# Altium PCB HIL_RIG_REV_1_1.PcbDoc (part 4 of 5) (continued)
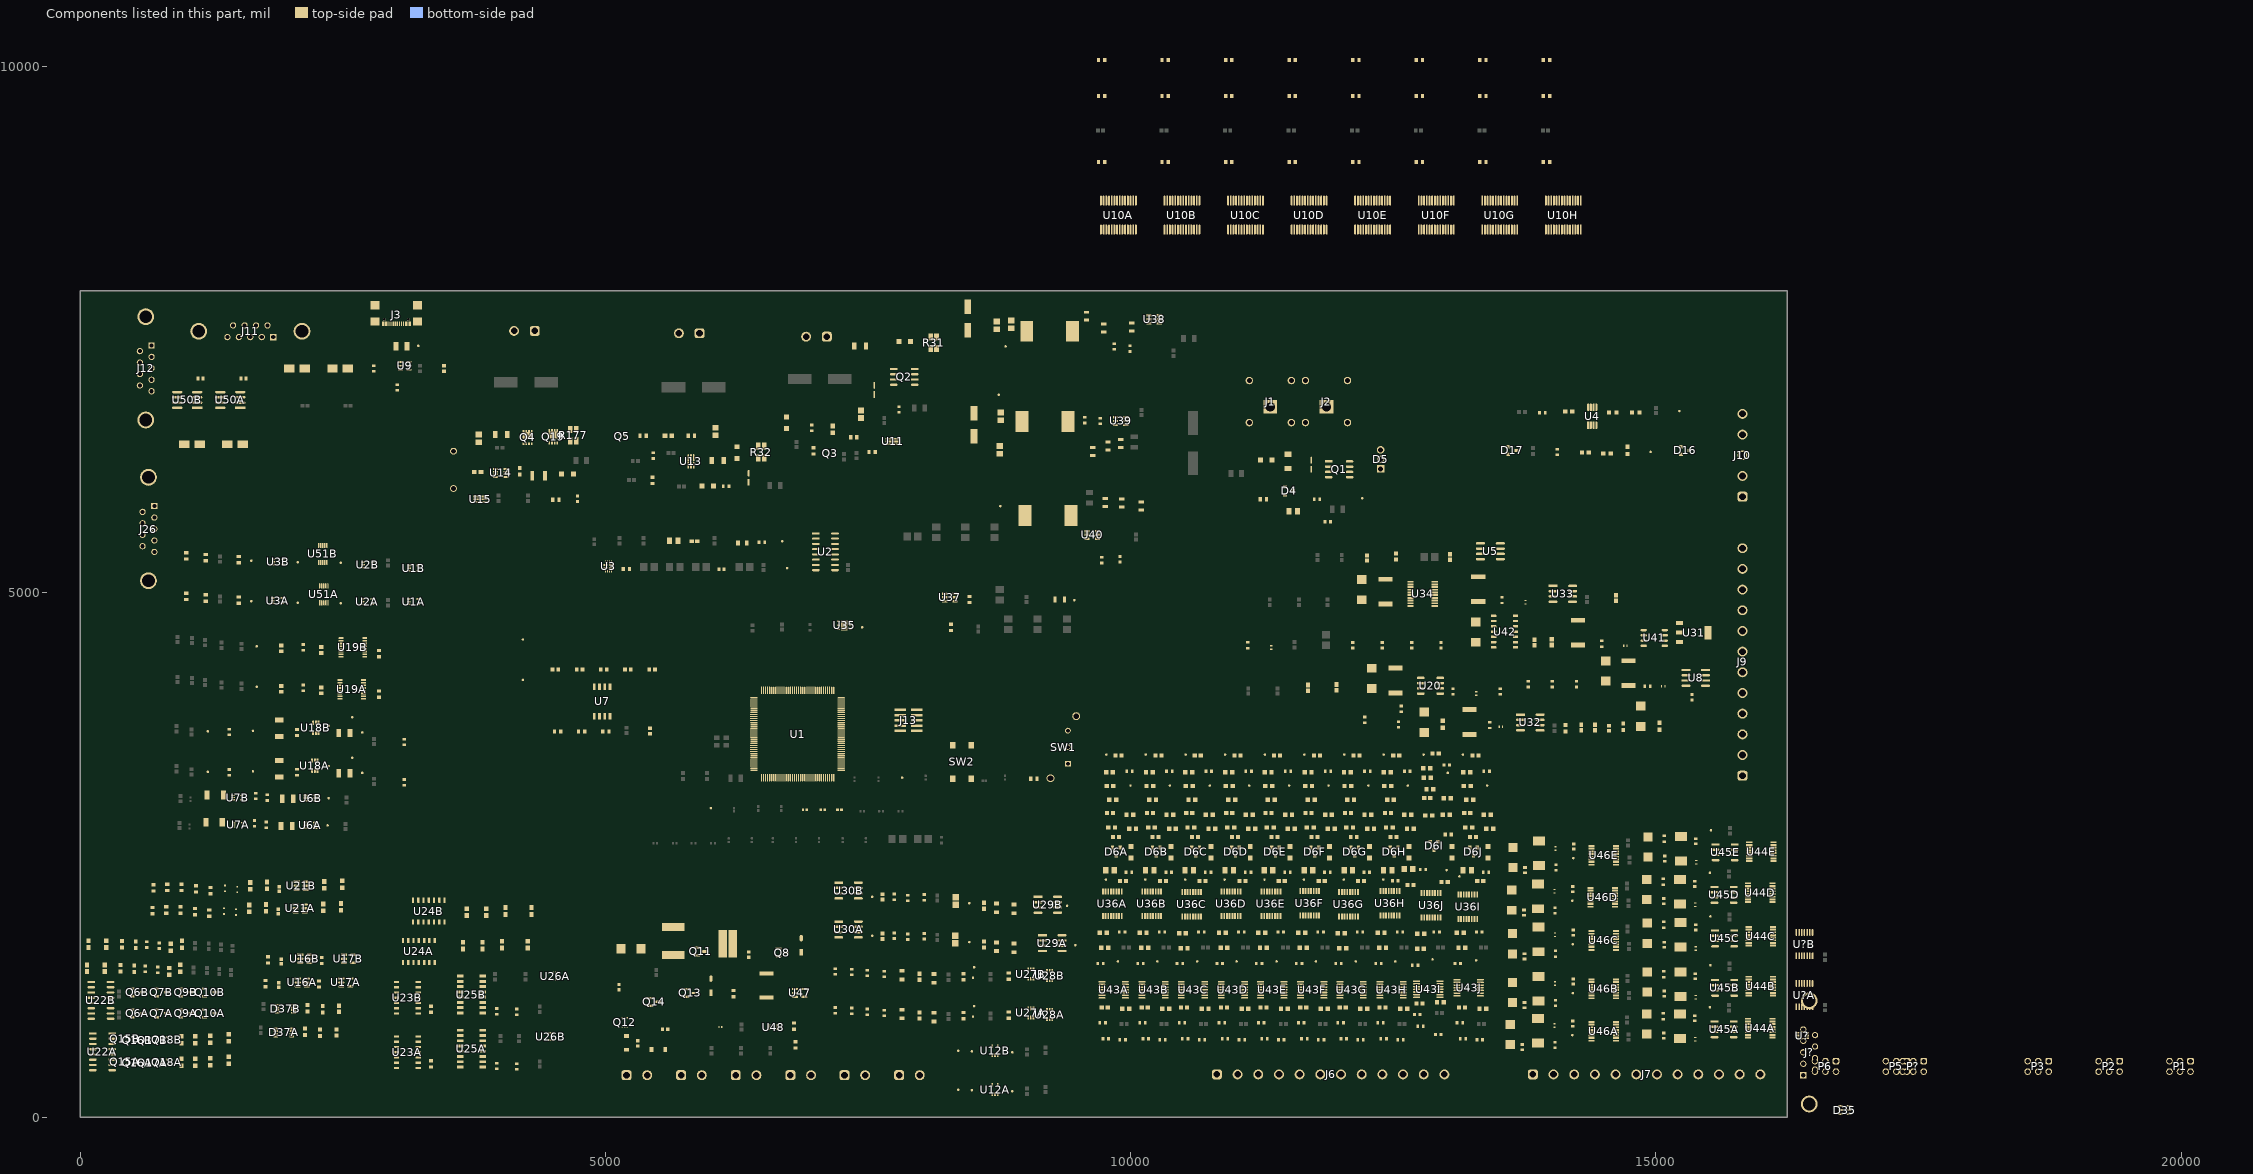
[diagram p6: the components of this part, seen from the top]
## Part data (continued)
R147A R147B: library part CMP-009-00277-1, "Res Thin Film 0603 3.4K Ohm 0.1% 0.1W(1/10W) ±25ppm/C Pad SMD T/R", Case Code (Imperial)=0603, Max Operating Temperature=155°C, Max Power Dissipation=100mW, Min Operating Temperature=-55°C, Temperature Coefficient=25ppm/°C, Tolerance=0.1%, Voltage Rating=75V, Voltage Rating (DC)=50V, Case/Package=0603, China RoHS=Non-Compliant, Composition="Thin Film", Contact Plating=Tin, Country of Origin="Mainland China, Taiwan", Depth=800µm, Export Control Classification Number (ECCN) Code=EAR99, Features="Moisture Resistant", Harmonized Tariff Schedule (HTS) Code=8533.21.00.30, Height=450µm, Introduction Date=2008-06-09, Lead Free="Lead Free", Length=1.6mm, Lifecycle Status=Production, Military Standard=Not, Mounting Technology="Surface Mount", Number of Terminals=2, Number of Terminations=2, Power Rating=100mW, Radiation Hardening=No, REACH SVHC=Yes, RoHS=Compliant, Schedule B="8533210045, 8533210045", Termination=SMD/SMT, Weight=2.012816mg, Width=800µm, Working Voltage=75V
R148A R148B: library part CMP-009-00270-1, "100mW Thin Film Resistor ±25ppm/℃ ±0.1% 6.98kΩ 0603 Chip Resistor - Surface Mount ROHS", Case Code (Imperial)=0603, Max Operating Temperature=155°C, Max Power Dissipation=100mW, Min Operating Temperature=-55°C, Temperature Coefficient=25ppm/°C, Tolerance=0.1%, Voltage Rating=75V, Voltage Rating (DC)=50V, Case/Package=0603, China RoHS=Non-Compliant, Composition="Thin Film", Features="Moisture Resistant", Height=450µm, Lead Free="Lead Free", Length=1.6mm, Lifecycle Status=Production, Mounting Technology="Surface Mount", Number of Terminals=2, Number of Terminations=2, Power Rating=100mW, REACH SVHC=Yes, RoHS=Compliant, Schedule B="8533210045, 8533210045", Termination=SMD/SMT, Width=800µm, Working Voltage=75V
R149A R149B: library part CMP-009-00278-1, "100mW Thin Film Resistor ±25ppm/℃ ±0.1% 3.57kΩ 0603 Chip Resistor - Surface Mount ROHS", Case Code (Imperial)=0603, Max Operating Temperature=155°C, Max Power Dissipation=100mW, Min Operating Temperature=-55°C, Temperature Coefficient=25ppm/°C, Tolerance=0.1%, Voltage Rating=75V, Voltage Rating (DC)=50V, Case/Package=0603, China RoHS=Non-Compliant, Composition="Thin Film", Country of Origin="Mainland China, Taiwan", Depth=800µm, Export Control Classification Number (ECCN) Code=EAR99, Features="Moisture Resistant", Harmonized Tariff Schedule (HTS) Code=8533.21.00.30, Height=450µm, Introduction Date=2008-06-09, Lead Free="Lead Free", Length=1.6mm, Lifecycle Status=Production, Military Standard=Not, Mounting Technology="Surface Mount", Number of Terminals=2, Number of Terminations=2, Power Rating=100mW, REACH SVHC=Yes, RoHS=Compliant, Schedule B="8533210045, 8533210045", Termination=SMD/SMT, Weight=2.012816mg, Width=800µm, Working Voltage=75V
R152A R152B: library part CMP-009-00276-1, "125mW Thin Film Resistor 150V ±25ppm/℃ ±0.1% 1.5kΩ 0805 Chip Resistor - Surface Mount ROHS", Case Code (Imperial)=0805, Manufacturer Package Identifier="0805 (2012 metric)", Max Operating Temperature=155°C, Max Power Dissipation=125mW, Min Operating Temperature=-55°C, Temperature Coefficient=25ppm/°C, Tolerance=0.1%, Voltage Rating=150V, Case/Package=0805, China RoHS=Non-Compliant, Composition="Thin Film", Depth=1.25mm, Features="Moisture Resistant", Height=500µm, Lead Free="Lead Free", Length=2mm, Lifecycle Status=Production, Military Standard=Not, Mounting Technology="Surface Mount", Number of Terminals=2, Number of Terminations=2, Power Rating=125mW, REACH SVHC=Yes, RoHS=Compliant, Schedule B="8533210045, 8533210045", Termination=SMD/SMT, Voltage Rating (DC)=150V, Width=1.25mm, Working Voltage=150V
R154A R154B R154C R154D R154E R156A R156B R156C R156D R156E R157A R157B R157C R157D R157E R159A R159B R159C R159D R159E: library part CMP-02407-001600-1, "RES SMD 100 OHM 1% 1/8W 0603", Case/Package=0603, Max Operating Temperature=125°C, Max Power Dissipation=100mW, Min Operating Temperature=-55°C, Resistance=10kR, Temperature Coefficient=50ppm/°C, Tolerance=1%, Composition="Thin Film", Depth=0.85mm, Height=0.022inch, Lead Free="Lead Free", Length=0.061inch, Military Standard=Not, Number of Terminations=2, Packaging="Tape and Reel", Width=0.033inch
R155A R155B R155C R155D R155E R158A R158B R158C R158D R158E: library part CMP-07231-002038-1, "Sulfur-Resistant, AEC-Q200 Compliant Chip Resistors 2512 10Ω 1W 1% 100ppm/°C"
R160 R165: library part CMP-03211-009800-1, "CRGCQ 0603 100K 5%", Ambient Temperature Range High=+70°C, Manufacturer="TE Connectivity", Manufacturer Part Number=CRGCQ0603J100K, Package=CRGCQ0603, Power Rating=0.1W, Resistance=100KΩ, Temperature="-55°C to +155°C", Temperature Coefficient=±100ppm/°C, Temperature Range High=+155°C, Temperature Range Low=-55°C, Tolerance=0.05, Voltage Rating=75V, Category=Res, ComponentLink2Description=Datasheet, ComponentLink2URL=https://www.te.com/commerce/DocumentDelivery/DDEController?Action=showdoc&DocId=Data+Sheet%7F1773204-3%7F1%7Fpdf%7FEnglish%7FENG_DS_1773204-3_1.pdf%7F4-2176339-1151, Composition="Thick Film", Device Class L1="Passive Components", Device Class L2=Resistors, Device Class L3="Chip SMD Resistors", Digikey Description="CRGCQ 0603 100K 5%", Height=0.55mm, Ipc Land Pattern Name=RESC16080X45, Lead Free=Yes, Mouser Description="Res, Aec-Q200, Thick Film, 100K, 5%, 0603", Octopart=https://octopart.com/crgcq0603j100k-te+connectivity-91018095, RoHS=TRUE, Series=CRGCQ
R161: library part CMP-08839-006415-1, "High power chip resistors wide terminal type 470Ω 5% 2W 1225", Lead Free="Lead Free"
R162 R166: library part CMP-03211-004384-3, "RES 1M OHM 1% 1/4W 0603", Case Code (Imperial)=0603, Case Code (Metric)=1608, Max Operating Temperature=155°C, Max Power Dissipation=250mW, Min Operating Temperature=-55°C, Resistance=1MR, Resistor Type="Thick Film", Temperature Coefficient=100ppm/°C, Tolerance=1%, Case/Package=0603, Number of Terminations=2, Packaging="Cut Tape", RoHS Compliant=Yes
R163: library part CMP-03211-009678-1, "CRGP 2512 100R 1%", Ambient Temperature Range High=+70°C, Manufacturer=TE, Manufacturer Part Number=CRGP2512F100R, Package=CRGP2512, Power Rating=2W, Resistance=100Ω, Temperature="-55°C to +155°C", Temperature Coefficient=±100ppm/°C, Temperature Range High=+155°C, Temperature Range Low=-55°C, Tolerance=0.01, Voltage Rating=500V, Automotive=No, Category=Res, ComponentLink2Description=Datasheet, ComponentLink2URL=https://www.mouser.ca/datasheet/2/418/NG_DS_9-1773463-9_A-1358566.pdf, Composition="Thick Film", Device Class L1="Passive Components", Device Class L2=Resistors, Device Class L3="Chip SMD Resistors", Digikey Description="CRGP 2512 100R 1%", Height=0.65mm, Ipc Land Pattern Name=RESC635320X55, Lead Free=Yes, Octopart=https://octopart.com/crgp2512f100r-te+connectivity-91019025, RoHS=TRUE, Series=CRGP
R169A R169B R170A R170B: library part CMP-1678-00004-2, "RES 0.05 OHM 1% 1W 1632", 3DS Part Number=110-00009, Manufacturer=Ohmite, Manufacturer Part Number=MCS1632R050FER, Package=MCS1632, Power Rating=1W, Resistance=50mΩ, Temperature="-55°C to +150°C", Temperature Coefficient=40ppm/°C, Temperature Range High=+150°C, Temperature Range Low=-55°C, Tolerance=1%, Automotive=No, Category=Res, ComponentLink2Description=Datasheet, ComponentLink2URL=https://www.ohmite.com/assets/docs/res_mcs.pdf?r=false, Composition="Metal Element", Device Class L1="Passive Components", Device Class L2=Resistors, Device Class L3="Chip SMD Resistors", Digikey Description="RES 0.05 OHM 1% 1W 1632", Height=0.8mm, Ipc Land Pattern Name=RESC320160X60, Lead Free=Yes, Mouser Description="Current Sense Resistors - SMD 1W 0.05 ohm 1%", Octopart=https://octopart.com/mcs1632r050fer-ohmite-19081091, RoHS=TRUE, Series=MCS
SW1: library part CMP-011-00001-2, "Slide Switch, SPDT, 0.3A, 125 V, -20 to 85 degC, 5-Pin THD, RoHS, Tray", Current Rating=300mA, Manufacturer="TE Connectivity", Max Contact Resistance=30mohm, Max Operating Temperature=85°C, Max Voltage Rating (AC)=125V, Min Operating Temperature=-20°C, Operating Force=600gf, Package Description="5-Pin Through Hole Device, Body 6.7 x 16 mm, Pitch 4 mm", Package Quantity=560, Case/Package=1825255-1, Contact Finish=Silver, Contact Material=Copper, Contact Plating=Silver, Datasheet URL=http://www.te.com/commerce/DocumentDelivery/DDEController?Action=showdoc&DocId=Customer+Drawing%7F1825255%7FA4%7Fpdf%7FEnglish%7FENG_CD_1825255_A4_baseFilename.pdf%7F1825255-1, Datasheet Version="Rev. A4, 03/2014", Manufacturer URL=http://www.te.com/, Max Current Rating=300mA, Mounting Technology=TH, Package Reference=1825255-1, Packaging=Bulk, RoHS Compliant=True, Throw Configuration=SPDT, Voltage Rating (AC)=125V
SW2: library part CMP-011-00018-1, "Switch Tactile N.O. SPST Round Button J-Bend 20A 250VAC15VDC SMD Embossed T/R", Case/Package=SMD/SMT, Max Operating Temperature=85°C, Min Operating Temperature=-40°C, Mounting Technology="Surface Mount", Throw Configuration=SPST
TP1 TP2 TP3 TP4 TP5 TP6A TP6B TP6C TP6D TP6E TP7A TP7B TP8 TP9 TP10 TP11 TP12A TP12B TP13 TP14 TP15A TP15B TP15C TP15D TP15E TP16A TP16B TP17A TP17B TP18A TP18B TP19A TP19B TP20A TP20B TP21A TP21B TP22A TP22B TP23A TP23B TP24A TP24B TP25 TP26 TP27A TP27B TP27C TP27D TP27E TP27F TP27G TP27H TP27I TP27J TP28A TP28B TP28C TP28D TP28E TP28F TP28G TP28H TP28I TP28J TP29A TP29B TP29C TP29D TP29E TP29F TP29G TP29H TP29I TP29J TP30A TP30B TP30C TP30D TP30E TP30F TP30G TP30H TP30I TP30J TP31A TP31B TP32A TP32B TP33A TP33B TP34A TP34B TP35A TP35B TP36A TP36B TP37A TP37B TP38A TP38B: library part CMP-00028-00002-2, "0.6mm round", Pins=1
U1: library part CMP-031-00008-1, "Mcu, 32 Bit, CORTEX-M4, 180MHZ, LQFP-144", Case/Package=LQFP, Frequency=180MHz, Max Supply Voltage=3.6V, Min Supply Voltage=1.7V, Memory Size=512kB, Number of I/Os=114, Pins=144, RAM Size=128kB, REACH SVHC=No
U1A U1B U2A U2B U3A U3B: library part CMP-016-00021-1, "Single 2-input, 1.65-V to 5.5-V NAND gate 5-SC70 -40 to 125", Case/Package=SC, High Level Output Current=-32mA, Low Level Output Current=32mA, Manufacturer Lifecycle Status=ACTIVE, Max Operating Temperature=125°C, Max Supply Voltage=5.5V, Min Operating Temperature=-40°C, Min Supply Voltage=1.65V, Operating Supply Voltage=5V, Quiescent Current=10µA, Contact Plating=Gold, Height=1.1mm, Lead Free="Lead Free", Length=2mm, Lifecycle Status=Production, Logic Function=NAND, Max Output current=32mA, Mounting Technology="Surface Mount", Number of Bits=1, Number of Channels=1, Number of Circuits=1, Number of Elements=1, Number of Gates=1, Number of Input Lines=2, Number of Inputs=2, Number of Output Lines=1, Number of Outputs=1, Output Current=32mA, Packaging="Cut Tape", Pins=5, Propagation Delay=4ns, Radiation Hardening=No, REACH SVHC=No, RoHS=Compliant, Schedule B="8542390000, 8542390000", Schmitt Trigger Input=No, Termination=SMD/SMT, Thickness=900µm, Turn-On Delay Time=4.3ns, Weight=2.494758mg, Width=1.25mm
U2 U22A U22B: library part CMP-016-00012-1, "MC74HC238ADR2G, Decoder, Demultiplexer, 1-OF-8, Non-inverting, 2 to 6V, 16-PIN SOIC", Case/Package=SOP, Max Operating Temperature=125°C, Max Supply Voltage=6V, Min Operating Temperature=-55°C, Min Supply Voltage=2V, Mounting Technology="Surface Mount", Pins=16
U3: library part CMP-031-00010-1, "2.7-V to 22-V, 56-mΩ, 4.5-A, power mux with seamless switchover 12-VQFN-HR -40 to 125", Max Operating Temperature=125°C, Max Supply Voltage=22V, Min Operating Temperature=-40°C, Min Supply Voltage=2.8V, Pins=12
U4: library part CMP-014-00005-1, "Dual, 5.5-V, 10-MHz operational amplifier 8-VSSOP -40 to 125", Case/Package=VSSOP, Max Operating Temperature=125°C, Max Supply Voltage=5.5V, Min Operating Temperature=-40°C, Min Supply Voltage=1.8V, Pins=8
U5: library part CMP-019-00063-1, "LDO Regulator Pos 5V 0.5A Automotive 8-Pin SOIC N Tube / IC REG LDO 5V 0.5A 8SOIC", Dropout Voltage=300mV, Manufacturer Lifecycle Status=PRODUCTION, Max Operating Temperature=125°C, Max Output current=500mA, Max Supply Voltage=20V, Min Current Limit=520mA, Min Input Voltage=1.8V, Min Operating Temperature=-40°C, Nominal Output Voltage=5V, Operating Supply Current=30µA, Power Supply Rejection Ratio (PSRR)=65dB, Height=1.498mm, Lead Free="Lead Free", Length=5mm, Lifecycle Status=Production, Number of Channels=1, Number of Outputs=1, Number of Regulators=1, Output Current=500mA, Output Type=Fixed, Output Voltage=5V, Pins=8, Polarity=Positive, Quiescent Current=30µA, REACH SVHC=No, RoHS=Compliant, Schedule B="8542390000, 8542390000", Width=3.988mm
U6A U6B U18A U18B: library part CMP-016-00013-1, "Translators, Level Shifters bidirectional 420Mbps 1.65V~5.5VCCA 1.65V~5.5VCCB", Case/Package=SC, High Level Output Current=-32mA, Low Level Output Current=32mA, Manufacturer Lifecycle Status=ACTIVE, Max Operating Temperature=85°C, Max Supply Voltage=5.5V, Min Operating Temperature=-40°C, Min Supply Voltage=1.65V, Quiescent Current=3µA, Contact Plating=Gold, Data Rate=420Mbps, Direction=Bidirectional, Height=1.1mm, Lead Free="Lead Free", Length=2mm, Lifecycle Status=Production, Logic Function="Transceiver, Translator", Min Supply Voltage (DC)=1.65V, Mounting Technology="Surface Mount", Number of Bits=1, Number of Channels=1, Number of Elements=1, Packaging="Cut Tape", Pins=6, Polarity=Non-Inverting, Propagation Delay=3.9ns, Radiation Hardening=No, REACH SVHC=No, RoHS=Compliant, Schedule B="8542390000, 8542390000", Thickness=900µm, Topology=Push-Pull, Turn-On Delay Time=17.7ns, Weight=2.494758mg, Width=1.25mm
U7: "Inductor", Arrow Part Number="W25Q128JVSIQ TR", Manufacturer_Name=Winbond, Mouser Part Number=454-W25Q128JVSIQTR, Arrow Price/Stock=https://www.arrow.com/en/products/w25q128jvsiqtr/winbond-electronics?utm_currency=USD&region=nac, Datasheet Link=http://www.winbond.com/resource-files/w25q128jv%20spi%20revc%2011162016.pdf, Height=1.95mm, Manufacturer_Part_Number="W25Q128JVSIQ TR", Mouser Price/Stock=https://www.mouser.co.uk/ProductDetail/Winbond/W25Q128JVSIQ-TR?qs=qSfuJ%252Bfl%2Fd7vTyLA9kNdGw%3D%3D
U7A U7B: library part CMP-004-00058-1, "11V Unidirectional 5.5V SOT-553-5 ESD and Surge Protection (TVS/ESD) ROHS", Ambient Temperature Range High=85°C, Breakdown Voltage=11V, Case/Package=SOT, Clamping Voltage=105.5V, Leakage Current=1nA, Manufacturer Lifecycle Status=ACTIVE, Max Junction Temperature (Tj)=150°C, Max Supply Voltage=5.5V, Min Operating Temperature=-40°C, Min Supply Voltage=900mV, Peak Pulse Current=10A, Power Line Protection=Yes, Contact Plating=Gold, Depth=1.2mm, Direction=Unidirectional, Element Configuration=Dual, Height=0m, Interface="Ethernet, LVDS", Lead Free="Lead Free", Length=1.6mm, Lifecycle Status=Production, Max Operating Temperature=85°C, Min Breakdown Voltage=11V, Number of Bidirectional Channels=2, Number of Channels=2, Number of Outputs=2, Operating Supply Voltage=5.5V, Pins=5, Polarity=Unidirectional, Radiation Hardening=No, REACH SVHC=No, Reverse Standoff Voltage=5.5V, RoHS=Compliant, Schedule B="8541100080, 8541100080", Termination=SMD/SMT, Thickness=550µm, Weight=2.806603mg, Width=1.2mm, Working Voltage=5.5V
U8 U32 U33: library part CMP-014-00008-1, "IC OPAMP GP 2 CIRCUIT 8SOIC / General Purpose Amplifier 2 Circuit Rail-to-Rail 8-SOIC", Case/Package=SOIC, Input Bias Current=5pA, Input Offset Voltage (Vos)=25µV, Manufacturer Lifecycle Status=ACTIVE, Max Dual Supply Voltage=18V, Max Junction Temperature (Tj)=150°C, Max Operating Temperature=125°C, Max Supply Voltage=36V, Min Dual Supply Voltage=2.25V, Min Operating Temperature=-40°C, Min Supply Voltage=4.5V, Nominal Supply Current=140µA, Output Current per Channel=65mA, Bandwidth=2.2MHz, Height=1.75mm, Length=4.9mm, Lifecycle Status=Production, Number of Channels=2, Pins=8, Response Time=700ns, RoHS=Compliant, Slew Rate=6.5V/µs, Thickness=1.58mm, Width=3.91mm
U10A U10B U10C U10D U10E U10F U10G U10H: library part CMP-031-00018-1, "I²C Bus IC Operating temperature: -40...+125 °C Power supply: 1.8...5.5 V Package: SSOP-20", Case/Package=SSOP, Clock Frequency=1.7MHz, Manufacturer Lifecycle Status=REL, Max Operating Temperature=125°C, Max Power Dissipation=700mW, Max Supply Voltage=5.5V, Min Operating Temperature=-40°C, Min Supply Voltage=4.5V, Nominal Supply Current=1mA, Output Current=25mA, Country of Assembly="Philippines, Thailand", Country of Fabrication="United States of America", Country of Origin="Philippines, Thailand", Export Control Classification Number (ECCN) Code=EAR99, Frequency=1.7MHz, Harmonized Tariff Schedule (HTS) Code=8542.39.0060, HS Code=8542.39.0090, Interface="I2C, Serial", Introduction Date=2005-06-24, Lead Free="Lead Free", Lifecycle Status=Production, Mounting Technology="Surface Mount", Number of Bits=16, Number of I/Os=16, Packaging=Bulk, Pins=28, Projected EOL Date=2034-06-24, REACH SVHC=No, RoHS=Compliant, Schedule B="8542390000, 8542390000", Weight=2.26799g
U11 U13 U15: library part CMP-014-00006-1, "26-V bi-directional 350-kHz current-sense amplifier 6-SC70 -40 to 125", Max Operating Temperature=125°C, Max Supply Voltage=5.5V, Min Operating Temperature=-40°C, Min Supply Voltage=2.7V, Pins=6
U12A U12B: library part CMP-0859-00252-3, "Single Inverter, DCK0005A, LARGE T&R", F @ Nom Voltage(Max)(Mhz)=150, Generic Part Number=SN74LVC1G04, ICC @ Nom Voltage(Max)(mA)=0.01, Manufacturer="Texas Instruments", Operating Temperature Range(C)="-40 to 125,-40 to 85", Rating=Catalog, tpd @ Nom Voltage(Max)(ns)=7.5,5.2,4.2,3.7, Voltage(Nom)(V)=1.8,2.5,3.3,5, 3-State Output=No, Bits(#)=1, DatasheetVersion=SCES214AD, Input Type=CMOS/TTL, Logic=Inverting, Output Drive (IOL/IOH)(Max)(mA)=32/-32, Output Type=CMOS, PackageReference=DCK0005A, Schmitt Trigger=No, Sub-Family="Inverting Buffer/Driver", Technology Family=LVC, VCC(Max)(V)=5.5, VCC(Min)(V)=1.65
U14: library part CMP-031-00014-1, "Overvoltage, Undervoltage and Reverse Supply Protection Controller", Case/Package=SOT-23-8, Max Operating Temperature=70°C, Min Operating Temperature=0°C, Pins=8
U16A U16B U21A U21B: library part CMP-00000-1, "5.5-V, 2-A, 52-mΩ load switch with adj. rise time and adj. output discharge 6-SOT-23 -40 to 105", Ambient Temperature Range High=105°C, Case/Package=SOT-23, Manufacturer Lifecycle Status=ACTIVE, Max Junction Temperature (Tj)=125°C, Max Output current=2A, Max Supply Voltage=5.5V, Min Operating Temperature=-40°C, Min Supply Voltage=1V, Fall Time=2µs, Height=0m, Interface=On/Off, Lead Free="Lead Free", Length=2.9mm, Lifecycle Status=Production, Max Operating Temperature=105°C, Number of Channels=1, Number of Drivers=1, Number of Outputs=1, Output Configuration="High Side", Output Current=2A, Pins=6, Rise Time=2.54ms, RoHS=Compliant, Schedule B="8542390000, 8542390000", Thickness=1.2mm, Turn-Off Delay Time=2µs, Turn-On Delay Time=1.95ms, Width=1.6mm
U17A U17B: library part CMP-016-00018-1, "Single 1.65-V to 5.5-V inverter 5-SOT-23 -40 to 125", Ambient Temperature Range High=125°C, Case/Package=SOT-23, High Level Output Current=-32mA, Low Level Output Current=32mA, Manufacturer Lifecycle Status=ACTIVE, Max Supply Voltage=5.5V, Min Operating Temperature=-40°C, Min Supply Voltage=1.65V, Nominal Supply Current=10µA, Contact Plating=Tin, Height=1.45mm, Lead Free="Lead Free", Length=2.9mm, Lifecycle Status=Production, Logic Function=Inverter, Max Operating Temperature=125°C, Max Output current=32mA, Mounting Technology="Surface Mount", Number of Bits=1, Number of Channels=1, Number of Circuits=1, Number of Elements=1, Number of Gates=1, Number of Inputs=1, Number of Outputs=1, Output Current=32mA, Pins=5, Propagation Delay=3.7ns, Quiescent Current=10µA, Radiation Hardening=No, REACH SVHC=No, RoHS=Compliant, Schedule B="8542390000, 8542390000", Schmitt Trigger Input=No, Termination=SMD/SMT, Thickness=1.2mm, Turn-On Delay Time=7.5ns, Weight=15.790684mg, Width=1.6mm
U19A U19B: library part CMP-00024-00006-1, "3- to 5.5-V single channel 1Mbps RS-232 line driver/receiver with +/-15-kV IEC-ESD protection 16-TSSOP -40 to 85", Case/Package=TSSOP, Manufacturer Lifecycle Status=ACTIVE, Max Operating Temperature=85°C, Max Supply Voltage=5.5V, Min Operating Temperature=-40°C, Min Supply Voltage=3V, Nominal Supply Current=1mA, Operating Supply Voltage=5V, Output Current=35mA, Output Voltage=13.2V, Contact Plating=Gold, Data Rate=1Mbps, ESD Protection=Yes, Height=1.2mm, Lead Free="Lead Free", Length=5mm, Lifecycle Status=Production, Logic Function="Receiver, Transceiver", Mounting Technology="Surface Mount", Number of Drivers=1, Number of Receivers=1, Number of Transceivers=1, Number of Transmitters=1, Pins=16, Propagation Delay=150ns, RoHS=Compliant, Schedule B="8542390000, 8542390000", Simplex/Duplex="Full Duplex", Thickness=1mm, Weight=61.887009mg, Width=4.4mm
U20: library part CMP-019-00062-1, "V-Ref Precision 5V 10mA 8-Pin SOIC N Tube / IC VREF SERIES 5V 8SOIC", Case/Package=SOIC, Manufacturer Lifecycle Status=PRODUCTION, Max Operating Temperature=125°C, Max Output current=10mA, Max Output Voltage=5V, Max Supply Voltage=15V, Min Input Voltage=3V, Min Operating Temperature=-40°C, Nominal Supply Current=950µA, Temperature Coefficient=4ppm/°C, Tolerance=0.04%, Height=1.5mm, Lead Free="Contains Lead", Length=5mm, Lifecycle Status=Production, Min Output Voltage=5V, Operating Supply Current=950µA, Output Current=10mA, Output Type=Fixed, Output Voltage=5V, Pins=8, Radiation Hardening=No, REACH SVHC=No, Reference Type=Series, Reference Voltage=5V, RoHS=Compliant, Schedule B="8542390000, 8542390000", Width=4mm
U23A U23B U24A U24B: library part CMP-031-00016-1, "Buffer/Line Driver 4-CH Non-Inverting 3-ST CMOS Automotive 14-Pin SOIC T/R", Case/Package=SOIC, Max Operating Temperature=125°C, Max Supply Voltage=3.6V, Min Operating Temperature=-40°C, Min Supply Voltage=1.65V, Mounting Technology="Surface Mount", Pins=14
U25A U25B: "Integrated Circuit", Manufacturer_Name=Nexperia, Mouser Part Number=771-74HC138D-T, Arrow Part Number=74HC138D,653, Arrow Price/Stock=https://www.arrow.com/en/products/74hc138d653/nexperia?utm_currency=USD&region=nac, Datasheet Link=https://assets.nexperia.com/documents/data-sheet/74HC_HCT138.pdf, Height=1.75mm, Manufacturer_Part_Number=74HC138D,653, Mouser Price/Stock=https://www.mouser.co.uk/ProductDetail/Nexperia/74HC138D653?qs=P62ublwmbi8APHT0Qk%252B6Yw%3D%3D
U26A U26B: "Integrated Circuit", Manufacturer_Name="Texas Instruments", Mouser Part Number=595-TPD4E1B06DRLR, Arrow Part Number=TPD4E1B06DRLR, Arrow Price/Stock=https://www.arrow.com/en/products/tpd4e1b06drlr/texas-instruments?utm_currency=USD&region=nac, Datasheet Link=http://www.ti.com/lit/ds/symlink/tpd4e1b06.pdf, Height=0.6mm, Manufacturer_Part_Number=TPD4E1B06DRLR, Mouser Price/Stock=https://www.mouser.co.uk/ProductDetail/Texas-Instruments/TPD4E1B06DRLR?qs=1MXlzafEN387aRSX0e2MEQ%3D%3D
U27A U27B U28A U28B U?: library part CMP-011-00020-1, "Single-pole Double-throw Analog Switch SPDT, 1 Func, 1 Channel, Cmos, PDSO6", Ambient Temperature Range High=125°C, Case/Package=SC, Drain to Source Resistance=11Ω, Frequency=340MHz, High Level Output Current=128mA, Manufacturer Lifecycle Status=ACTIVE, Max Junction Temperature (Tj)=150°C, Max Supply Current=10µA, Max Supply Voltage=5.5V, Min Operating Temperature=-40°C, Min Supply Voltage=1.65V, Nominal Supply Current=1µA, On-State Resistance=6Ω, -3db Bandwidth=340MHz, Bandwidth=300MHz, Contact Plating=Gold, Height=1.1mm, Interface="I2C, SPI, UART", Lead Free="Lead Free", Length=2mm, Lifecycle Status=Production, Low Level Output Current=128mA, Max Operating Temperature=125°C, Mounting Technology="Surface Mount", Number of Bits=1, Number of Channels=1, Number of Circuits=1, Number of Inputs=2, Number of Outputs=1, Operating Supply Current=1µA, Packaging="Cut Tape", Pins=6, Polarity=Non-Inverting, Propagation Delay=2ns, Radiation Hardening=No, REACH SVHC=No, RoHS=Compliant, Schedule B="8542390000, 8542390000", Supply Type=Single, Termination=SMD/SMT, Thickness=900µm, Throw Configuration=SPDT, Turn-Off Delay Time=3.8ns, Turn-On Delay Time=5.7ns, Weight=2.494758mg, Width=1.25mm
U29A U29B U30A U30B: library part CMP-014-00004-1, "4.5ns, Rail-to-Rail, High Speed Comparator with Shutdown 8-SOIC -40 to 125", Ambient Temperature Range High=125°C, Case/Package=SOIC, Input Bias Current=2pA, Input Offset Voltage (Vos)=1mV, Manufacturer Lifecycle Status=ACTIVE, Max Junction Temperature (Tj)=150°C, Max Supply Voltage=5.5V, Min Operating Temperature=-40°C, Min Supply Voltage=2.2V, Nominal Supply Current=3.2mA, Operating Supply Current=5mA, Output Current=74mA, Power Supply Rejection Ratio (PSRR)=100dB, Common Mode Rejection Ratio=70dB, Height=1.75mm, Hysteresis=6mV, Lead Free="Lead Free", Length=4.9mm, Lifecycle Status=Production, Max Operating Temperature=125°C, Mounting Technology="Surface Mount", Number of Channels=1, Number of Elements=1, Output Type=TTL, Pins=8, Propagation Delay=10ns, Quiescent Current=5mA, Radiation Hardening=No, REACH SVHC=No, Response Time=4.5ns, RoHS=Compliant, Schedule B="8542390000, 8542390000", Supply Type=Single, Thickness=1.58mm, Type="General Purpose", Weight=75.891673mg, Width=3.91mm
U31: library part CMP-019-00061-1, "LDO Regulator Pos 0V to 30V 1.1A Automotive 4-Pin(3+Tab) SOT-223", Manufacturer Lifecycle Status=PRODUCTION, Max Operating Temperature=125°C, Max Output current=1.1A, Max Output Voltage=36V, Min Input Voltage=1.2V, Min Operating Temperature=-40°C, Min Output Voltage=0V, Operating Supply Current=300µA, Output Voltage Accuracy=1%, Quiescent Current=500µA, Reference Voltage=5mV, Height=1.7mm, Lead Free="Lead Free", Length=6.71mm, Lifecycle Status=Production, Max Supply Voltage=36V, Min Current Limit=1.1A, Number of Channels=1, Number of Outputs=1, Number of Regulators=1, Output Current=1.1A, Output Type=Adjustable, Pins=3, Polarity=Positive, REACH SVHC=No, RoHS=Compliant, Schedule B="8542390000, 8542390000", Width=3.71mm
U34: "Integrated Circuit", Manufacturer_Name=Microchip, Manufacturer_Part_Number=MCP48CVB28T-20E/ST, Mouser Part Number=579-MCP48CVB28T20EST, Datasheet Link=https://ww1.microchip.com/downloads/aemDocuments/documents/MSLD/ProductDocuments/DataSheets/MCP48CXBX4_8-Family-Data-Sheet-20006556B.pdf, Height=1.2mm, Mouser Price/Stock=https://www.mouser.co.uk/ProductDetail/Microchip-Technology/MCP48CVB28T-20E-ST?qs=W%2FMpXkg%252BdQ6AZUXaqyjWrA%3D%3D
U35: library part CMP-019-00056-1, "500 mA low quiescent current low noise voltage regulator", Case/Package="DFN EP", Dropout Voltage=400mV, Max Operating Temperature=125°C, Max Supply Voltage=5.5V, Min Operating Temperature=-40°C, Output Current=500mA, Output Voltage=3.3V, Mounting Technology="Surface Mount", Pins=6
U36A U36B U36C U36D U36E U36F U36G U36H U36I U36J: "Integrated Circuit", Manufacturer_Name=Nexperia, Mouser Part Number=771-HC151PW118, Arrow Part Number=74HC151PW,118, Arrow Price/Stock=https://www.arrow.com/en/products/74hc151pw118/nexperia?region=nac, Datasheet Link=https://assets.nexperia.com/documents/data-sheet/74HC_HCT151.pdf, Height=1.1mm, Manufacturer_Part_Number=74HC151PW,118, Mouser Price/Stock=https://www.mouser.co.uk/ProductDetail/Nexperia/74HC151PW118?qs=P62ublwmbi%252BqenrdxHR1gw%3D%3D
U37: "Undefined or Miscellaneous", Manufacturer_Name="Texas Instruments", Mouser Part Number=595-TPS561208DDCR, Arrow Part Number=TPS561208DDCR, Arrow Price/Stock=https://www.arrow.com/en/products/tps561208ddcr/texas-instruments?utm_currency=USD&region=nac, Datasheet Link=http://www.ti.com/lit/gpn/tps561208, Height=1.1mm, Manufacturer_Part_Number=TPS561208DDCR, Mouser Price/Stock=https://www.mouser.co.uk/ProductDetail/Texas-Instruments/TPS561208DDCR?qs=5aG0NVq1C4wGRU8Kylr4iw%3D%3D
U38 U39 U40: "Integrated Circuit", Manufacturer_Name="Texas Instruments", Mouser Part Number=595-LMR51625XDDCR, Arrow Part Number=LMR51625XDDCR, Arrow Price/Stock=https://www.arrow.com/en/products/lmr51625xddcr/texas-instruments.html?utm_currency=USD&region=nac, Datasheet Link=https://www.ti.com/lit/ds/symlink/lmr51625.pdf?ts=1740555768028, Height=1.1mm, Manufacturer_Part_Number=LMR51625XDDCR, Mouser Price/Stock=https://www.mouser.co.uk/ProductDetail/Texas-Instruments/LMR51625XDDCR?qs=efUn273yAheKjJQ13bmSQQ%3D%3D
U41: library part CMP-019-00065-1, "ISP452 Series 34 V 100 mOhm SMT Smart Power High Side Switch - PG-DSO-8", Case/Package=SOP, Current=2.4A, Max Operating Temperature=85°C, Max Output current=8.5A, Max Power Dissipation=1.5W, Max Supply Current=500µA, Max Supply Voltage=34V, Min Operating Temperature=-30°C, Min Supply Voltage=5V, Nominal Supply Voltage=41V, On-State Resistance=100mΩ, Operating Supply Voltage=20V, Output Current=2A, Package Quantity=2500, Temperature Grade="Commercial Extended", Voltage=16V, China RoHS=Compliant, Country of Origin=Malaysia, Export Control Classification Number (ECCN) Code=EAR99, Harmonized Tariff Schedule (HTS) Code=8542.39.00.60, Height=1.45mm, Height - Seated (Max)=1.75mm, Introduction Date=2006-03-09, Length=5mm, Lifecycle Status=Production, Load Current=2.4A, Nominal Supply Current=500µA, Number of Channels=1, Number of Circuits=1, Number of Outputs=1, Number of Terminals=8, Number of Transmitters=1, Output Current per Channel=2.4A, Packaging="Tape & Reel", Pins=8, Power Dissipation=1.5W, Radiation Hardening=No, REACH SVHC=Yes, RoHS=Compliant, Schedule B=8542390000, Terminal Pitch=1.27mm, Width=4mm
U42: library part CMP-015-00011-1, "8mA 1 4.5V~5.5V 8mA 4 SOP-14 Buffer/Driver/Transceiver ROHS", Case/Package=SOIC, High Level Output Current=-8mA, Low Level Output Current=8mA, Manufacturer Lifecycle Status=ACTIVE, Max Operating Temperature=85°C, Max Supply Voltage=5.5V, Min Operating Temperature=-40°C, Min Supply Voltage=4.5V, Operating Supply Voltage=5V, Quiescent Current=2µA, Height=0m, Lead Free="Lead Free", Length=8.65mm, Lifecycle Status=Production, Logic Function="Buffer, Inverting", Mounting Technology="Surface Mount", Number of Bits=4, Number of Bits per Element=1, Number of Channels=4, Number of Circuits=4, Number of Elements=4, Number of Input Lines=4, Number of Inputs=4, Number of Output Lines=4, Number of Outputs=4, Packaging="Tape & Reel", Pins=14, Polarity=Non-Inverting, Propagation Delay=7.5ns, Radiation Hardening=No, REACH SVHC=No, RoHS=Compliant, Schedule B="8542390000, 8542390000", Thickness=1.58mm, Turn-On Delay Time=10ns, Width=3.91mm
U43A U43B U43C U43D U43E U43F U43G U43H U43I U43J: library part CMP-014-00007-1, "Cut Tape (CT) LM2901 CMOS MOS Open-Collector TTL 0.25muA comparator circuit 250nA 1.3mus 5mm 9V", Case/Package=TSSOP, Dual Supply Voltage=9V, Input Bias Current=-25nA, Input Offset Voltage (Vos)=2mV, Manufacturer Lifecycle Status=ACTIVE, Max Dual Supply Voltage=15V, Max Input Current=250nA, Max Junction Temperature (Tj)=125°C, Max Supply Current=2mA, Max Supply Voltage=30V, Min Dual Supply Voltage=1V, Min Operating Temperature=-40°C, Min Supply Voltage=2V, Operating Supply Voltage=28V, Output Current per Channel=20mA, Quiescent Current=2.5mA, Voltage Gain=100dB, Contact Plating=Gold, Height=0m, Lead Free="Lead Free", Length=5mm, Lifecycle Status=Production, Max Operating Temperature=125°C, Mounting Technology="Surface Mount", Nominal Supply Current=2mA, Number of Channels=4, Number of Elements=4, Output Type=TTL, Packaging="Cut Tape", Pins=14, Radiation Hardening=No, REACH SVHC=No, Response Time=1.3µs, RoHS=Compliant, Schedule B="8542390000, 8542390000", Thickness=1mm, Weight=57.209338mg, Width=4.4mm
U44A U44B U44C U44D U44E U46A U46B U46C U46D U46E: "Integrated Circuit", Manufacturer_Name="Texas Instruments", Mouser Part Number=595-TMUX4052PWR, Arrow Part Number=TMUX4052PWR, Arrow Price/Stock=https://www.arrow.com/en/products/tmux4052pwr/texas-instruments.html?utm_currency=USD&region=nac, Datasheet Link=https://www.ti.com/lit/ds/symlink/tmux4052.pdf?ts=1676371866155&ref_url=https%253A%252F%252Fwww.ti.com%252Fproduct%252FTMUX4052, Height=1.2mm, Manufacturer_Part_Number=TMUX4052PWR, Mouser Price/Stock=https://www.mouser.co.uk/ProductDetail/Texas-Instruments/TMUX4052PWR?qs=amGC7iS6iy8OsL8GnYryxg%3D%3D
U45A U45B U45C U45D U45E: library part CMP-04895-000315-1, "IC OPAMP GP 2 CIRCUIT 8SOIC"
U47: library part CMP-04912-000026-1, "IC GATE DVR LOW SIDE 1CH SOT23-5", Case/Package=SOT-23-5, Max Operating Temperature=125°C, Max Output current=4A, Max Supply Voltage=18V, Min Operating Temperature=-40°C, Min Supply Voltage=4.5V, Package Quantity=3000, Channel Type=Single, Lead Free="Lead Free", Mount="Surface Mount", Number of Channels=1, Number of Drivers=1, Number of Outputs=1, Number of Pins=5, Packaging="Tape and Reel", Radiation Hardening=No
U48: library part CMP-0859-00822-3, "Single-Bit Dual-Supply Bus Transceiver with Configurable Voltage Translation and 3-State Outputs, DRL0006A, LARGE T&R", F @ Nom Voltage(Max)(Mhz)=150, Generic Part Number=SN74LVC1T45, ICC @ Nom Voltage(Max)(mA)=0.004, Manufacturer="Texas Instruments", Operating Temperature Range(C)="-40 to 85", Rating=Catalog, tpd @ Nom Voltage(Max)(ns)=15.5,8,5.8,4.4, Voltage(Nom)(V)=1.8,2.5,3.3,5, 3-State Output=Yes, Bits(#)=1, DatasheetVersion=SCES515K, Input Type=CMOS/TTL, Logic=True, Output Drive (IOL/IOH)(Max)(mA)=32/-32, Output Type=CMOS, PackageReference=DRL0006A, Schmitt Trigger=No, Sub-Family="Dual Supply Translator", Technology Family=LVC, VCC(Max)(V)=5.5, VCC(Min)(V)=1.65
U50A U50B: library part CMP-0315-00015-3, "IC TRANSCEIVER HALF 1/1 8SOIC", Case/Package=D, Max Operating Temperature=85°C, Max Supply Current=17mA, Max Supply Voltage=3.6V, Min Operating Temperature=-40°C, Min Supply Voltage=3V, Operating Supply Voltage=3.3V, Package Quantity=1, Contact Plating=Gold, Data Rate=1Mbps, Lead Free="Lead Free", Nominal Supply Current=17mA, Number of Drivers=1, Number of I/Os=2, Number of Pins=8, Number of Receive Buffers=1, Number of Receivers=1, Number of Transceivers=1, Number of Transmit Buffers=1, Packaging="Tape and Reel", Radiation Hardening=No, REACH SVHC="No SVHC", Termination=SMD/SMT, Weight=0.002561oz
U51A U51B: library part CMP-011-00021-1, "5V, 4: 1, 1-channel, analog multiplexer, 1.8V compatible logic 10-VSSOP -40 to 125", Ambient Temperature Range High=125°C, Case/Package=VSSOP, Manufacturer Lifecycle Status=ACTIVE, Max Junction Temperature (Tj)=150°C, Max Supply Voltage=5.5V, Min Operating Temperature=-40°C, Min Supply Voltage=1.08V, Nominal Supply Current=10nA, On-State Resistance=5Ω, -3db Bandwidth=125MHz, Height=1.07mm, Length=3mm, Lifecycle Status=Production, Max Operating Temperature=125°C, Number of Channels=1, Number of Circuits=1, Pins=10, RoHS=Compliant, Schedule B="8542390000, 8542390000", Thickness=1.02mm, Throw Configuration=SP4T, Width=3mm
U?A U?B: library part CMP-04892-000034-1, "IC SWITCH SPST QUAD 14TSSOP", RoHS Compliant=Yes